# Altium PCB CL-HC-M-V2.2.PcbDoc (part 15 of 18) (continued)
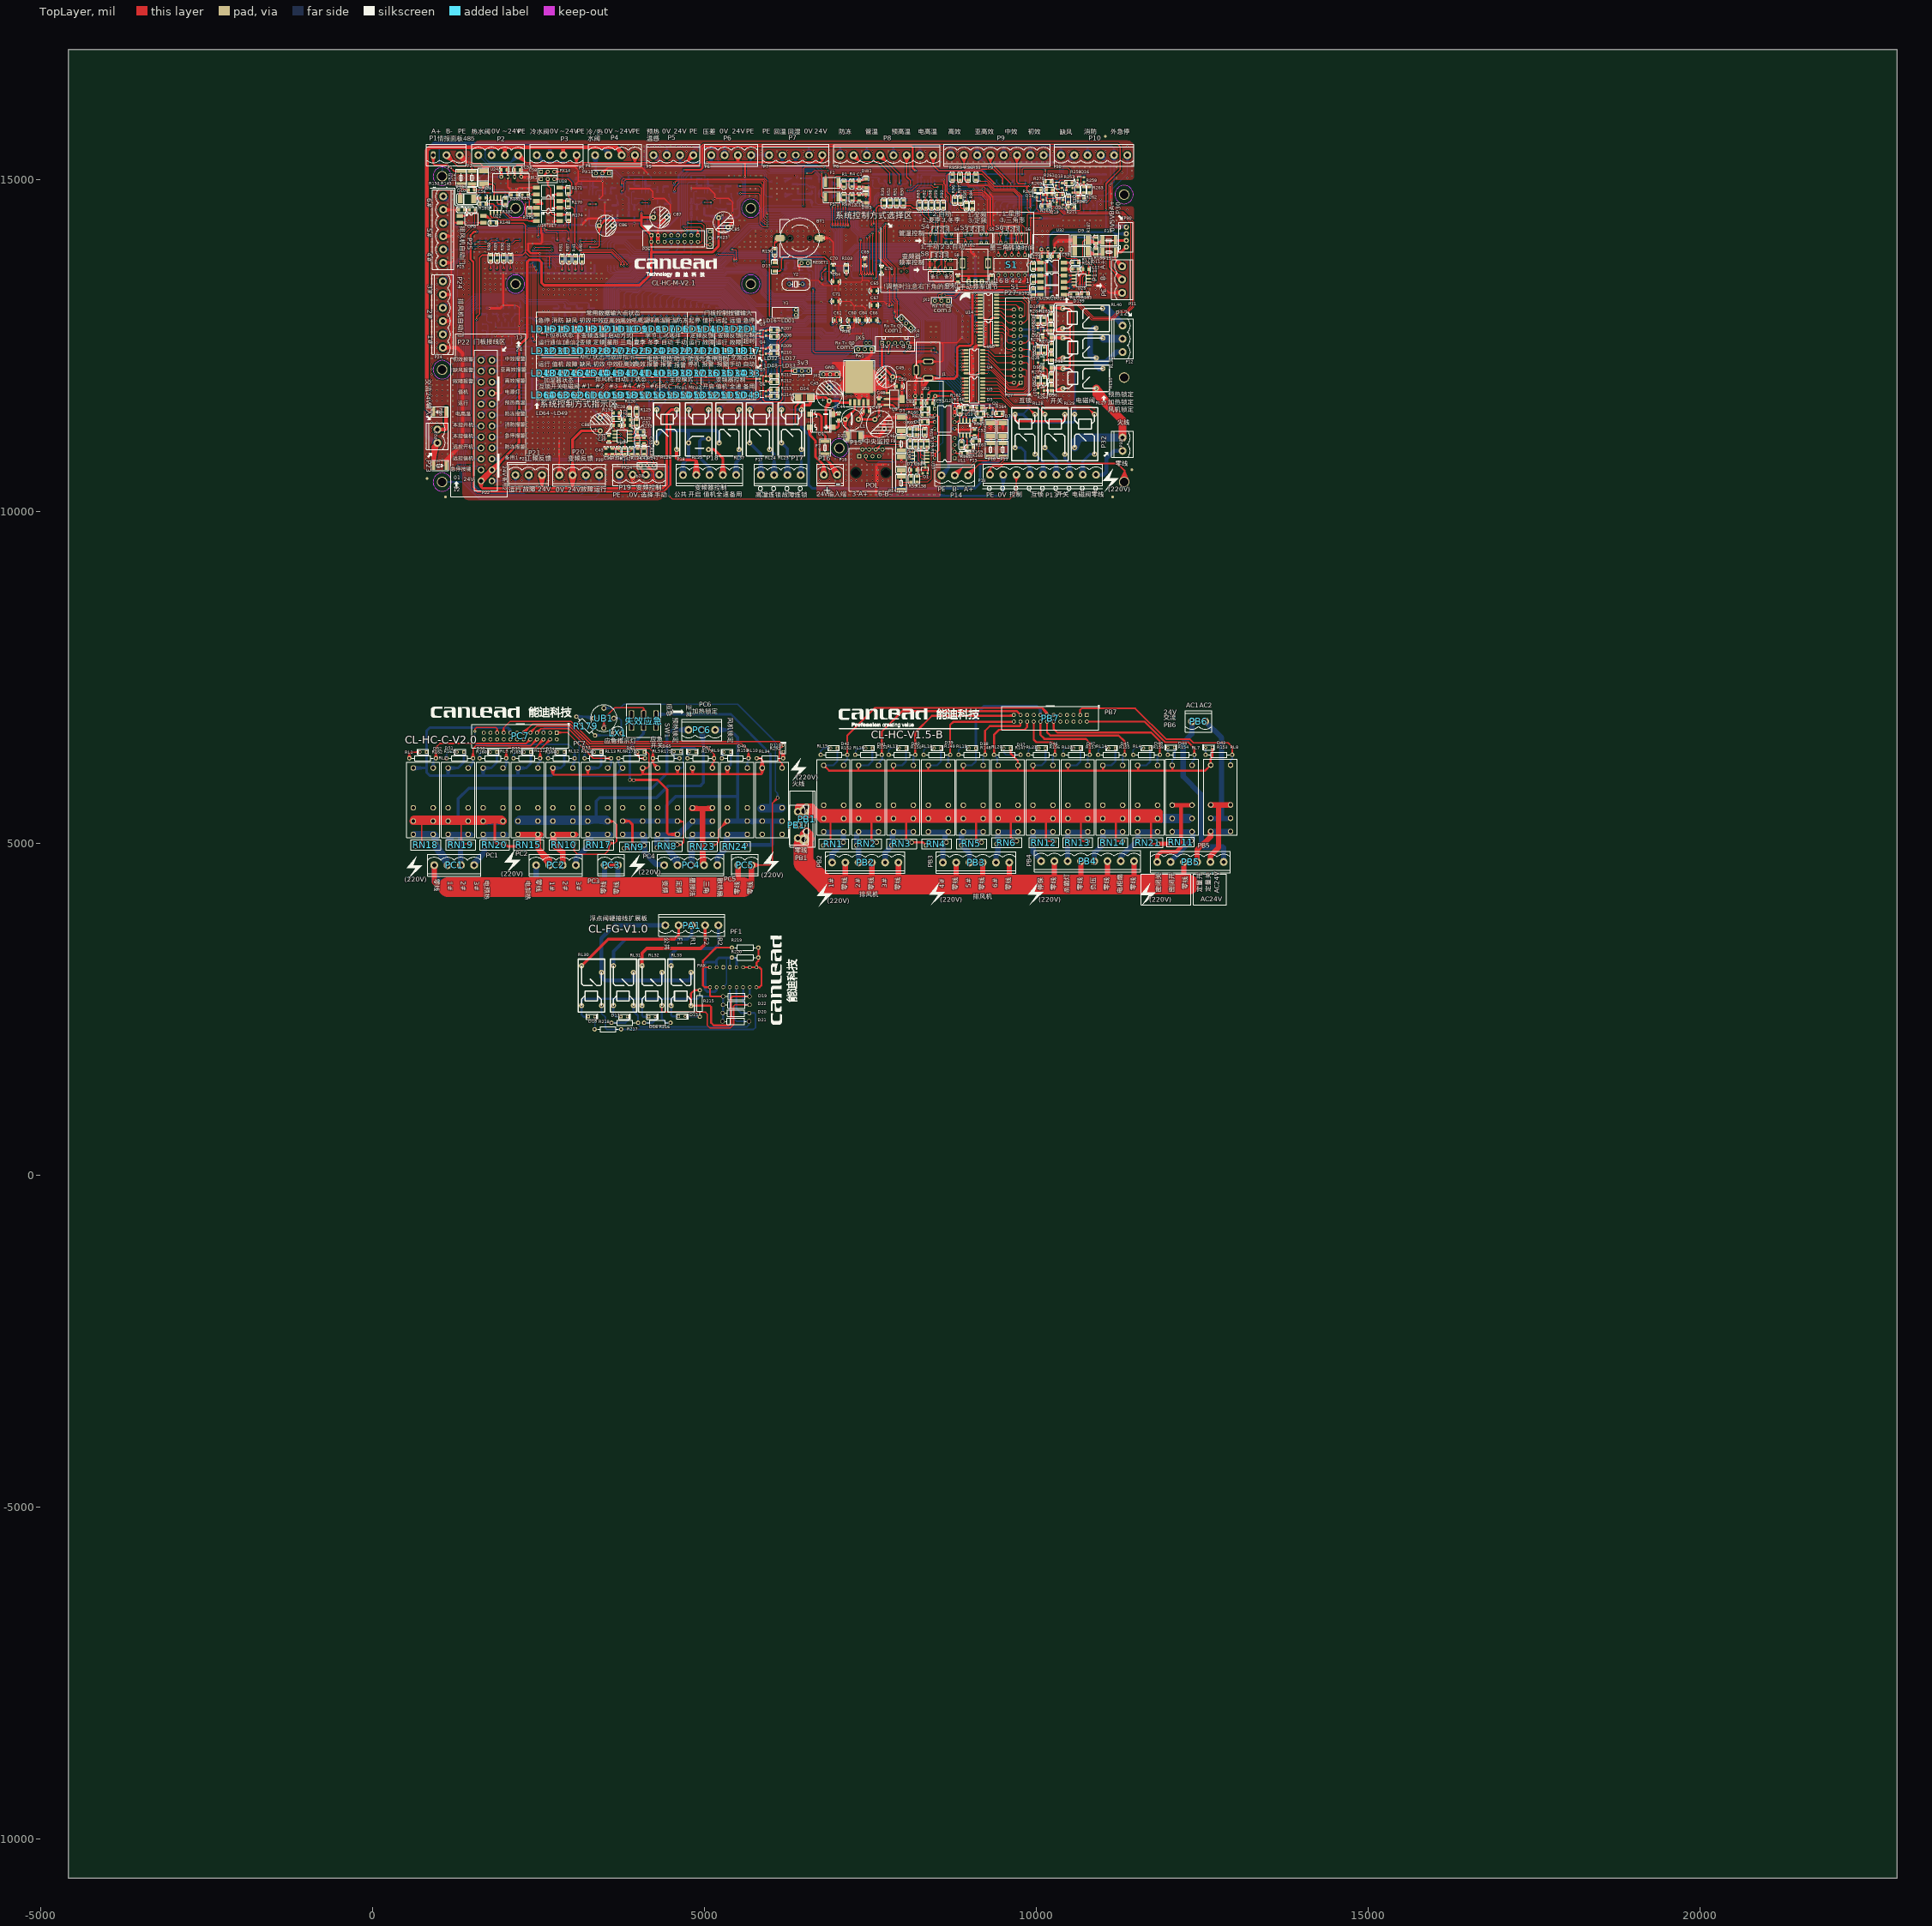
[diagram p0: TopLayer view]
## Nets (pads, with @x,y where several pads share a name; then routed paths per layer and width w, separated by ;. In a path a pad name is that pad's centre, name@x,y a point inside that pad or via, vN(x,y) a via of type N, cw(c..) or ccw(c..) an arc to the next point about the centre after c; other vN are vias at no path point) (continued)
  BottomLayer w10: R104.1@4532.78,14908.71 v1(4547.57,14951.4) ; v1@4540.3,14953.23 4533.42,14910.55 v1@4554.42,14948.34 ; v1@4540.73,14948.34 4561.72,14910.55 v1@4554.85,14953.23 ; R104.1@4547.57,14901.22 v1(4547.57,14951.4) ; R104.1@4547.57,14906.22 v1(4547.57,14951.4) ; R104.1@4562.36,14908.71 v1(4547.57,14951.4) ; v1(5942.07,14405.09) 6149.73,14405.09 6215.26,14470.62 7194.34,14470.62 7287.5,14377.46 7287.5,14281.37 7374.49,14194.38 v1(7534.2,14194.38) 7491.7,14194.38 ; v1@5942.73,14397.62 5984.57,14405.09 v1@5942.73,14412.56 ; U33.67@7514.51,13622.58 7514.51,13583.82 ; v1@7533.53,14186.91 7491.7,14194.38 ; v1@7533.53,14201.85 7491.7,14194.38 ; v1(7534.2,13564.13) 7514.51,13583.82 ; R104.1@4547.57,14908.9 4555.04,14950.74 R104.1@4547.57,14908.9 ; R104.1@4547.57,14908.9 4540.1,14950.74 R104.1@4547.57,14908.9 ; 7514.51,13583.82 7514.51,13592.33 7514.51,13583.82
RESET: C80.1 D12.1 J2.2 R189.2 RESET1.1 U33.25 | length 5735
  TopLayer w10: v1@6629.91,13342.7 6637.39,13300.87 v1@6644.86,13342.7 ; v1(6637.39,13343.37) 6637.39,12417.31 6662.76,12391.94 v1(7238.89,12391.94) ; v1@7238.23,12384.47 7196.39,12391.94 v1@7238.23,12399.41
  TopLayer w20: J2.2@7755.74,12537.42 7775.15,12450.02 J2.2@7794.56,12537.42 ; 7775.15,12462.28 v1(7772.18,12389.4) 7775.15,12392.37 J2.2@7775.15,12539.55
  BottomLayer w10: v1@5890.34,13763.12 5928.92,13791.13 v1@5900.92,13752.55 ; v1(5895.21,13757.42) 5935.83,13798.04 6340.47,13798.04 ; D12.1@6340.47,13656.78 6360.44,13695.87 ; R189.2@6345.62,13741 6360.44,13695.87 ; R189.2@6345.96,13749.42 6340.47,13798.04 ; D12.1@6349.97,13653.25 6360.44,13695.87 ; D12.1@6359.89,13646.98 6360.44,13647.53 6360.44,13695.87 ; D12.1@6359.89,13651.98 6360.44,13695.87 ; R189.2@6360.44,13743.37 6360.44,13695.87 ; D12.1@6369.83,13653 6360.44,13695.87 ; R189.2@6373.03,13761.51 6340.47,13798.04 ; R189.2@6375.25,13741 6360.44,13695.87 ; D12.1@6379.41,13656.29 6360.44,13695.87 ; RESET1.1@6538.43,13736.38 6562.64,13692.7 ; C80.1@6547.8,13644.62 6562.64,13692.37 ; RESET1.1@6547.81,13740.39 6562.64,13692.7 ; C80.1@6562.64,13642.37 6562.64,13692.37 ; RESET1.1@6562.64,13742.64 6562.64,13692.7 ; C80.1@6564.97,13622.55 6610.89,13637.37 ; C80.1@6564.97,13652.19 6610.89,13637.37 ; C80.1@6577.47,13644.62 6562.64,13692.37 ; RESET1.1@6577.47,13740.39 6562.64,13692.7 ; RESET1.1@6586.84,13736.38 6562.64,13692.7 ; v1@6629.91,13344.03 6637.39,13385.87 v1@6644.86,13344.03 ; v1@6632.83,13337.41 6657.38,13323.37 ; v1@6643.34,13347.92 6657.38,13323.37 ; 6776.28,13323.37 U33.25@6811.03,13323.37 ; U33.25@6841.28,13323.37 6657.38,13323.37 ; v1@7239.11,12384.44 7281.6,12389.4 ; v1@7239.99,12399.36 7281.6,12389.4 ; v1@7771.52,12381.93 7729.68,12389.4 v1@7771.52,12396.87 ; v1(7772.18,12389.4) 7236.36,12389.4 v1(7238.89,12391.94) 7281.6,12389.4 ; 6340.47,13798.04 6360.44,13778.08 ; 6340.47,13798.04 R189.2@6360.44,13753.37 ; 6360.44,13695.87 6559.47,13695.87 6562.64,13692.7 ; 6360.44,13695.87 R189.2@6360.44,13748.37 6360.44,13778.08 ; R189.2@6360.44,13753.37 6360.44,13778.08 ; R189.2@6360.44,13753.37 6360.44,13778.08 ; 6360.44,13778.08 6346.14,13757.92 6360.44,13778.08 ; 6360.44,13778.08 6374.73,13757.92 6360.44,13778.08 ; 6562.64,13692.7 C80.1@6562.64,13637.37 6610.89,13637.37 ; 6610.89,13637.37 6637.39,13610.87 v1(6637.39,13343.37) 6657.38,13323.37
ROUT1: PB7.2 PC7.2 R154.2@12383.41,6334.7 RL7.2 | length 2072.4
  TopLayer w30: PB7.2@10763.41,6834.7 11632.63,6834.7 11942.63,6524.7 12293.41,6524.7 12383.41,6434.7 R154.2@12383.41,6334.7 ; RL7.2@12358.29,6175.17 RL7.2@12368.2,6185.07
  BottomLayer w30: RL7.2@12349.02,6176.29 12349.02,6230.31 12383.41,6264.7 R154.2@12383.41,6334.7
ROUT2: PB7.4 PC7.1 R163.2@3594.76,6281.68 RL13.2 | length 1982.6
  TopLayer w20: PC7.1@2777.25,6666.95 2940.33,6666.95 3325.6,6281.68 R163.2@3594.76,6281.68 ; PC7.1@2779.38,6647.54 2866.78,6666.95 PC7.1@2779.38,6686.36 ; R163.2@3592.03,6259.35 3502.26,6281.68 R163.2@3592.03,6304.01
  BottomLayer w20: RL13.2@3526.77,6162.24 3594.76,6186.97 ; RL13.2@3536.24,6144.43 3594.76,6186.97 ; RL13.2@3543.6,6135.81 3594.76,6186.97 ; RL13.2@3552.23,6128.45 3594.76,6186.97 ; RL13.2@3570.04,6118.98 3594.76,6186.97 ; R163.2@3572.43,6278.94 3594.76,6189.18 R163.2@3617.09,6278.94 ; R163.2@3594.76,6281.68 3594.76,6186.97
ROUT3: PB7.6 PC7.6 R160.2@2014.76,6281.68 RL3.2 | length 1741.7
  TopLayer w20: R160.2@1992.43,6284.42 2014.76,6374.18 R160.2@2037.09,6284.42 ; R160.2@2014.76,6281.68 2014.76,6405.53 2044.6,6435.37 2445.66,6435.37 PC7.6@2577.25,6566.95 2505.29,6495 ; PC7.6@2562.18,6579.37 2505.29,6495 ; PC7.6@2589.67,6551.88 2505.29,6495
  BottomLayer w25: RL3.2@1950.3,6160.01 2014.76,6184.59 ; RL3.2@1965.98,6135.81 2014.76,6184.59 ; RL3.2@1990.19,6120.13 2014.76,6184.59 ; R160.2@1994.87,6279.62 2014.76,6184.59 ; R160.2@2014.76,6281.68 2014.76,6184.59 ; R160.2@2034.66,6279.62 2014.76,6184.59
ROUT4: PB7.8 PC7.8 R161.2@1514.76,6281.68 RL2.2 | length 2399.5
  TopLayer w20: R161.2@1492.43,6284.42 1514.76,6374.18 R161.2@1537.09,6284.42 ; R161.2@1514.76,6281.68 1514.76,6430.23 1554.9,6470.37 2380.66,6470.37 PC7.8@2477.25,6566.95 2405.29,6495 ; PC7.8@2462.18,6579.37 2405.29,6495 ; PC7.8@2489.67,6551.88 2405.29,6495
  BottomLayer w20: RL2.2@1421.48,6161.01 1514.76,6210.46 ; RL2.2@1432.53,6144.25 1514.76,6210.46 ; RL2.2@1440.11,6135.81 1514.76,6210.46 ; RL2.2@1448.54,6128.24 1514.76,6210.46 ; RL2.2@1465.31,6117.19 1514.76,6210.46 ; R161.2@1492.54,6278.13 1514.76,6210.46 ; R161.2@1514.76,6281.68 1514.76,6210.46 ; R161.2@1536.98,6278.13 1514.76,6210.46
ROUT5: PB7.10 PC7.10 R162.2@954.76,6281.68 RL1.2 | length 2765.4
  TopLayer w20: R162.2@932.43,6284.42 954.76,6374.18 R162.2@977.09,6284.42 ; R162.2@954.76,6281.68 954.76,6445.23 1014.9,6505.37 2315.66,6505.37 ; PC7.10@2361.98,6579.13 2315.66,6505.37 ; PC7.10@2389.42,6551.69 2315.66,6505.37 ; 2315.66,6505.37 PC7.10@2377.25,6566.95 2315.66,6505.37
  BottomLayer w20: RL1.2@883.27,6140.66 914.23,6237.15 ; RL1.2@902.91,6136.45 914.23,6237.15 ; RL1.2@914.23,6135.81 914.23,6241.15 ; RL1.2@925.56,6136.45 914.23,6237.15 ; R162.2@936.04,6294.16 914.23,6241.15 ; RL1.2@945.2,6140.66 914.23,6237.15 ; R162.2@954.76,6281.68 914.23,6241.15 ; R162.2@967.24,6262.96 914.23,6241.15
ROUT6: PB7.12 PC7.12 R158.2@11863.41,6334.7 RL4.2 | length 2163.7
  TopLayer w30: PB7.12@10263.41,6834.7 10263.41,6724.7 10318.41,6669.7 11733.99,6669.7 11863.41,6540.29 R158.2@11863.41,6334.7
  BottomLayer w30: RL4.2@11828.99,6175.17 11828.99,6305.23 R158.2@11858.47,6334.7
ROUT7: PB7.14 PC7.14 R155.2@11332.31,6334.33 RL14.2 | length 1766.9
  TopLayer w30: PB7.14@10163.41,6834.7 10163.41,6674.7 10213.41,6624.7 11243.41,6624.7 11332.31,6535.8 R155.2@11332.31,6334.33
  BottomLayer w30: RL14.2@11303.36,6175.17 11303.36,6305.23 R155.2@11332.83,6334.7 ; RL14.2@11306.02,6167.9 RL14.2@11306.02,6175.17
ROUT8: PB7.16 PC7.16 R157.2@10807.2,6334.7 RL22.2 | length 1345.1
  TopLayer w30: PB7.16@10063.41,6834.7 10063.41,6634.7 10123.41,6574.7 10747.01,6574.7 10807.2,6514.51 R157.2@10807.2,6334.7
  BottomLayer w30: RL22.2@10777.73,6175.17 10777.73,6305.23 R157.2@10807.2,6334.7
ROUT9: PB7.18 PC7.18 R156.2@10281.57,6334.7 RL21.2 | length 943
  TopLayer w30: PB7.18@9963.41,6834.7 9963.41,6564.7 10003.41,6524.7 10241.57,6524.7 10281.57,6484.7 R156.2@10281.57,6334.7
  BottomLayer w30: RL21.2@10252.1,6175.17 10252.1,6305.23 R156.2@10281.57,6334.7
ROUT10: PB7.20 PC7.20 R147.2@9363.93,6335.07 RL20.1 | length 1117.3
  TopLayer w30: R147.2@9363.93,6335.07 9363.93,6635.22 9440.8,6712.09 9824.78,6712.09 9863.41,6750.72 PB7.20@9863.41,6834.7
  BottomLayer w30: R147.2@9363.93,6335.07 9413.41,6285.59 9413.41,6188.23 RL20.1@9426.47,6175.17
ROUT11: PB7.22 PC7.22 R148.2@9230.3,6334.7 RL19.2 | length 1156.7
  TopLayer w30: R148.2@9230.3,6334.7 9230.3,6694.7 9301.25,6765.64 9752.2,6765.64 9763.41,6776.85 PB7.22@9763.41,6834.7
  BottomLayer w30: RL19.2@9200.83,6175.17 9200.83,6305.23 R148.2@9230.3,6334.7
ROUT12: PB7.24 PC7.24 R149.2@8704.15,6334.33 RL18.2 | length 1723
  TopLayer w30: R149.2@8704.15,6334.33 8704.15,6785.44 8748.61,6829.91 9658.61,6829.91 PB7.24@9663.41,6834.7 9542.99,6829.91
  BottomLayer w30: RL18.2@8675.2,6175.17 8675.2,6305.23 R149.2@8704.67,6334.7
ROUT13: PB7.23 PC7.23 R150.2@8178.51,6334.33 RL17.2 | length 2227.1
  TopLayer w30: R150.2@8178.51,6334.33 8178.51,6672.48 8427.57,6921.54 9650.24,6921.54 PB7.23@9663.41,6934.7 9540.36,6921.54
  BottomLayer w30: RL17.2@8149.57,6175.17 8149.57,6305.23 R150.2@8179.04,6334.7
ROUT14: PB7.21 PC7.21 R151.2@7673.41,6334.33 RL16.2 | length 2774.1
  TopLayer w30: R151.2@7673.41,6334.33 7673.41,6681.46 7986.64,6994.7 9703.41,6994.7 PB7.21@9763.41,6934.7
  BottomLayer w30: RL16.2@7623.94,6175.17 7623.94,6209.6 7679.04,6264.7 R151.2@7679.04,6334.7
ROUT22: PB7.13 PC7.13 R152.2@7153.41,6334.7 RL15.2 | length 3882.8
  TopLayer w30: R152.2@7153.41,6334.7 7153.41,6623.34 7570.61,7040.54 10094.8,7040.54 ; 10094.8,7040.54 10163.41,6971.93 ; 10094.8,7040.54 PB7.13@10163.41,6934.7 ; PB7.13@10163.41,6934.7 10163.41,6971.93 ; PB7.13@10163.41,6934.7 10163.41,6971.93
  BottomLayer w30: RL15.2@7098.3,6175.17 7098.3,6209.6 7153.41,6264.7 R152.2@7153.41,6334.7
ROUT23: PB7.11 PC7.11 R159.2@5664.76,6281.68 RL10.2 | length 4796.2
  TopLayer w20: PC7.11@2264.83,6682.02 2349.2,6738.91 ; PC7.11@2292.32,6654.53 2349.2,6738.91 ; R159.2@5642.43,6284.42 5664.76,6374.18 R159.2@5687.09,6284.42 ; R159.2@5664.76,6281.68 5664.76,6400.51 5564.9,6500.37 3280.4,6500.37 2980.4,6800.37 2410.66,6800.37 PC7.11@2277.25,6666.95 2349.2,6738.91
  BottomLayer w20: RL10.2@5616.3,6141.62 5647.1,6220.37 ; RL10.2@5635.79,6136.57 5647.1,6220.37 ; R159.2@5643.02,6275.88 5664.76,6238.03 ; RL10.2@5647.1,6135.81 5647.1,6220.37 ; RL10.2@5658.41,6136.57 5647.1,6220.37 ; R159.2@5664.76,6281.68 5664.76,6238.03 ; RL10.2@5677.9,6141.62 5647.1,6220.37 ; R159.2@5686.5,6275.88 5664.76,6238.03 ; 5647.1,6220.37 5664.76,6238.03
ROUT24: PB7.9 PC7.9 R177.2@5144.9,6281.68 RL9.2 | length 4011.6
  TopLayer w20: PC7.9@2364.83,6682.02 2449.2,6738.91 ; PC7.9@2392.32,6654.53 2449.2,6738.91 ; RL9.2@5090.77,6143.2 5121.23,6202.23 ; RL9.2@5109.93,6136.78 5121.23,6202.23 ; RL9.2@5121.23,6135.81 5121.23,6202.23 ; R177.2@5122.76,6285.66 5144.9,6345.37 ; R177.2@5122.86,6277.14 5144.9,6225.9 ; RL9.2@5132.52,6136.78 5121.23,6202.23 ; RL9.2@5151.68,6143.2 5121.23,6202.23 ; R177.2@5166.94,6277.14 5144.9,6225.9 ; R177.2@5167.05,6285.66 5144.9,6345.37 ; 2449.2,6738.91 PC7.9@2377.25,6666.95 2475.66,6765.37 2965.91,6765.37 3265.91,6465.37 5024.9,6465.37 5144.9,6345.37 ; 5121.23,6202.23 5144.9,6225.9 ; 5144.9,6225.9 R177.2@5144.9,6281.68 5144.9,6345.37
ROUT25: PB7.7 PC7.7 R175.2@4225.26,6281.68 RL5.1 | length 3187.5
  TopLayer w20: PC7.7@2465.06,6682.21 2539.24,6728.95 ; PC7.7@2492.51,6654.77 2539.24,6728.95 ; R175.2@4202.93,6284.42 4225.26,6374.18 R175.2@4247.59,6284.42 ; R175.2@4203.01,6278.34 4225.26,6205.9 ; R175.2@4247.51,6278.34 4225.26,6205.9 ; RL5.1@4269.97,6117.43 4225.26,6205.9 ; RL5.1@4286.89,6128.26 4225.26,6205.9 ; RL5.1@4295.35,6135.81 4225.26,6205.9 ; RL5.1@4302.9,6144.27 4225.26,6205.9 ; RL5.1@4313.73,6161.19 4225.26,6205.9 ; 2539.24,6728.95 PC7.7@2477.25,6666.95 2539.24,6728.95 ; 2539.24,6728.95 2952.83,6728.95 3251.41,6430.37 4174.9,6430.37 4225.26,6380.01 R175.2@4225.26,6281.68 4225.26,6205.9
ROUT26: PB7.5 PC7.5 R171.2@3704.9,6281.68 RL6.1 | length 3335.3
  BottomLayer w20: PC7.5@2557.94,6669.85 2577.25,6732.71 ; PC7.5@2596.56,6669.85 2577.25,6732.71 ; R171.2@3682.62,6278.57 3704.9,6200.39 ; R171.2@3704.9,6281.68 3704.9,6200.39 ; R171.2@3727.19,6278.57 3704.9,6200.39 ; RL6.1@3743.85,6117.78 3704.9,6200.39 ; RL6.1@3744.58,6154.84 3685.71,6052.05 ; RL6.1@3760.98,6128.31 3704.9,6200.39 ; RL6.1@3761.09,6143.44 3685.71,6052.05 ; RL6.1@3776.98,6144.31 3704.9,6200.39 ; RL6.1@3777.1,6127.42 3685.71,6052.05 ; RL6.1@3787.51,6161.44 3704.9,6200.39 ; RL6.1@3788.51,6110.91 3685.71,6052.05 ; 2577.25,6732.71 PC7.5@2577.25,6666.95 2577.25,6732.71 ; 2577.25,6732.71 2586.22,6741.68 3001.09,6741.68 3109.9,6632.87 3109.9,6040.37 3139.9,6010.37 3644.04,6010.37 RL6.1@3769.48,6135.81 3704.9,6200.39
ROUT27: PB7.3 PC7.3 R153.2@12953.41,6335.07 RL8.2 | length 2904.7
  TopLayer w25: PB7.3@10663.41,6934.7 10663.41,7014.7 10683.41,7034.7 11492.74,7034.7 11960.24,6567.2 12315.7,6567.2 12368.2,6514.7 12893.41,6514.7 12953.41,6454.7 R153.2@12953.41,6335.07
  BottomLayer w25: RL8.2@12928.39,6178.91 12928.39,6249.69 12953.41,6274.7 R153.2@12953.41,6335.07
ROUT28: PB7.1 PC7.4 R165.2@2524.76,6281.68 RL11.2 | length 1224.1
  TopLayer w20: R165.2@2502.43,6284.42 2524.76,6374.18 R165.2@2547.09,6284.42 ; R165.2@2524.76,6281.68 2524.76,6414.47 PC7.4@2677.25,6566.95 2605.29,6495 ; PC7.4@2662.18,6579.37 2605.29,6495 ; PC7.4@2689.67,6551.88 2605.29,6495
  BottomLayer w30: RL11.2@2466.19,6141.7 2491.86,6194.68 ; RL11.2@2491.86,6135.81 2491.86,6194.68 ; R165.2@2507.49,6278.85 2524.76,6227.59 ; RL11.2@2517.53,6141.7 2491.86,6194.68 ; R165.2@2524.76,6281.68 2524.76,6227.59 ; R165.2@2542.03,6278.85 2524.76,6227.59 ; 2491.86,6194.68 2524.76,6227.59
ROUT29: PB7.19 PC7.19 R164.2@3044.76,6281.68 RL12.2 | length 3089.5
  TopLayer w20: v4(1541.49,6689.72) 1541.49,6721.74 1568.91,6749.16 1855.99,6749.16 1877.25,6727.91 ; PC7.19@1857.97,6670.08 1877.25,6727.91 ; PC7.19@1877.25,6666.95 1877.25,6727.91 ; PC7.19@1896.52,6670.08 1877.25,6727.91
  BottomLayer w20: 1544.1,6609.61 v4(1541.49,6689.72) 1541.49,6692.11 1544.1,6694.72 1544.1,6506.17 1558.32,6491.95 2793.32,6491.95 2954.95,6491.95 3044.76,6402.14 R164.2@3044.76,6281.68 ; R164.2@3022.43,6284.42 3044.76,6374.18 R164.2@3067.09,6284.42
  BottomLayer w30: RL12.2@2992.09,6141.86 3017.73,6193.2 ; RL12.2@3017.73,6135.81 3017.73,6193.2 ; R164.2@3027.44,6279.19 3044.76,6220.23 ; RL12.2@3043.37,6141.86 3017.73,6193.2 ; R164.2@3044.76,6281.68 3044.76,6220.23 ; R164.2@3062.08,6279.19 3044.76,6220.23 ; 3017.73,6193.2 3044.76,6220.23
SDO_165: U31.9 U33.46 | length 4676.9
  TopLayer w10: v1@9864.64,13993.96 9872.11,14035.8 v1@9879.58,13993.96 ; v1(9872.11,13993.3) 9872.11,14473.87 9884.98,14486.74 10293.44,14486.74 ; v1@10315.83,14519.69 10293.44,14486.74 ; v1@10326.39,14509.13 10293.44,14486.74 ; 10293.44,14486.74 v1(10321.61,14514.91) 10293.44,14486.74
  BottomLayer w10: U33.46@7101.13,13622.58 7101.13,13854.14 7272.42,14025.44 8219.38,14025.44 8251.52,13993.3 v1(9872.11,13993.3) ; U33.46@7101.13,13652.83 7101.13,13687.58 ; v1@9871.45,13985.83 9829.61,13993.3 v1@9871.45,14000.77 ; U31.9@10311.68,14587.52 10321.61,14543.63 ; v1@10314.14,14515.57 10321.61,14557.41 v1@10329.08,14515.57 ; v1(10321.61,14514.91) U31.9@10321.61,14613.63 ; U31.9@10321.61,14588.63 10321.61,14543.63 ; U31.9@10331.55,14587.52 10321.61,14543.63
STM32-R/T2: R170.2 U33.35 | length 5340.4
  TopLayer w10: R170.2@2947.38,14593.36 3006.44,14593.36 3041.38,14558.42 3041.38,14029.99 3143.25,13928.12 3603.34,13928.12 3789.72,13741.73 ; R170.2@2952.38,14593.36 3002.38,14593.36 ; R170.2@2954.63,14578.53 3002.38,14593.36 ; R170.2@2954.63,14608.19 3002.38,14593.36 ; v1@3782.26,13707.59 3789.72,13741.73 ; v1(3789.72,13706.79) 3789.72,13741.73 ; v1@3797.18,13707.59 3789.72,13741.73
  BottomLayer w10: v1@3782.29,13705.8 3789.72,13678.25 ; v1(3789.72,13706.79) 3789.72,13678.25 ; v1@3797.16,13705.8 3789.72,13678.25 ; 6776.28,13520.22 U33.35@6811.03,13520.22 ; U33.35@6841.28,13520.22 6761.59,13520.22 6740.72,13541.09 6740.72,13815.23 6667.91,13888.04 5390.01,13888.04 5241.52,13739.55 3925.58,13739.55 3853.24,13667.2 3800.77,13667.2 3789.72,13678.25
STM32-R/T3: R172.2 U33.68 | length 3455.5
  TopLayer w10: v1(8623.45,13257.97) 8772.75,13257.97 8786.89,13272.11 ; v1@8624.11,13250.5 8665.95,13257.97 v1@8624.11,13265.45 ; 8793.72,13278.94 8786.89,13272.11 ; R172.2@9945.66,13527.89 9922.59,13542.31 ; R172.2@9945.66,13556.72 9922.59,13542.31 ; R172.2@9949.8,13542.31 9922.59,13542.31 ; R172.2@9954.8,13542.31 9922.59,13542.31 ; 8786.89,13272.11 8848.95,13334.17 9880.84,13334.17 9906.58,13359.91 9906.58,13526.3 9922.59,13542.31
  BottomLayer w10: U33.68@7534.2,13622.58 7534.2,13772.09 7553.54,13791.44 8122.46,13791.44 8132.48,13781.42 8132.48,13514.61 8350.04,13297.05 8612.92,13297.05 8623.45,13286.52 ; U33.68@7534.2,13652.83 7534.2,13687.58 ; v1@8616.02,13258.96 8623.45,13286.52 ; v1(8623.45,13257.97) 8623.45,13286.52 ; v1@8630.89,13258.96 8623.45,13286.52
STM32-R/T4: D4.A Q1.1 R62.2 U10.2 U10.3 U33.110 | length 5175.5
  TopLayer w10: v1(8069.51,12462.69) v1(8466.72,12462.69) 8424.22,12462.69 ; v1@8070.17,12455.22 8112.01,12462.69 v1@8070.17,12470.16 ; v1@8466.06,12455.22 8424.22,12462.69 ; v1@8466.06,12470.16 8424.22,12462.69
  TopLayer w15: D4.A@8192.38,11158.69 v1(8267.04,11158.69) ; D4.A@8194.56,11141.33 8262.38,11158.69 D4.A@8194.56,11176.06 ; D4.A@8209.54,11158.69 v1(8267.04,11158.69) ; D4.A@8210.65,11145.45 v1(8267.04,11158.69) ; D4.A@8210.65,11171.94 v1(8267.04,11158.69) ; R62.2@8254.88,10973.12 8262.38,10907.95 ; R62.2@8262.38,10973.36 8262.38,10865.42 ; R62.2@8267.38,10973.36 8262.38,10907.95 ; R62.2@8279.69,10971.22 8262.38,10907.95 ; U10.2@8324.38,10793.36 v1(8280.9,10793.36) ; U10.3@8324.38,10843.36 8284.44,10843.36 ; U10.2@8352.38,10793.36 v1(8280.9,10793.36) ; U10.3@8352.38,10843.36 8284.44,10843.36 ; 8262.38,10811.88 v1(8280.9,10793.36) ; 8262.38,10811.88 8262.38,10865.42 ; 8262.38,10811.88 v1(8280.9,10793.36) ; 8262.38,10865.42 8284.44,10843.36 ; v1@8276.2,10667.32 v1(8280.9,10672.02) ; v1@8276.2,10667.32 Q1.1@8327.38,10667.32 v1(8280.9,10672.02) ; v1@8276.2,10667.32 8326.36,10657.16 v1(8280.9,10672.02) ; v1@8276.2,10667.32 8326.36,10677.49 v1(8280.9,10672.02)
  BottomLayer w10: 7593.25,12703.25 U33.110@7593.25,12738 ; U33.110@7593.25,12768.25 7593.25,12504.32 7634.88,12462.69 v1(8069.51,12462.69) 8027.01,12462.69 ; v1@8068.85,12455.22 8027.01,12462.69 ; v1@8068.85,12470.16 8027.01,12462.69 ; v1@8262.44,11164.62 8288.21,11179.86 ; v1(8267.04,11158.69) 8288.21,11179.86 ; v1@8272.96,11154.1 8288.21,11179.86 ; v1@8459.25,12462.03 8466.72,12420.19 ; v1@8474.19,12462.03 8466.72,12420.19 ; 8288.21,11179.86 8526.95,11179.86 8571.2,11224.11 8571.2,11964.63 8523.84,12011.99 8523.84,12325.02 8466.72,12382.14 v1(8466.72,12462.69) 8466.72,12420.19
  BottomLayer w15: v1(8267.04,11158.69) 8267.04,10873.36 8280.9,10859.5 v1(8280.9,10793.36) v1(8280.9,10672.02)
STM32-RX1: JX4.3 U33.102 | length 632.6
  BottomLayer w10: U33.102@7695.61,12969.04 7786.73,12969.04 7805.46,12950.3 7926.19,12950.3 JX4.3@7969.92,12906.57 7927.83,12948.67 ; U33.102@7725.86,12969.04 7760.61,12969.04 ; JX4.3@7949.37,12893.17 7927.83,12948.67 ; JX4.3@7958.47,12897.63 7927.83,12948.67 ; JX4.3@7978.86,12918.02 7927.83,12948.67 ; JX4.3@7983.32,12927.12 7927.83,12948.67
STM32-RX2: JX1.2 R174.2 U16.4 U33.37 | length 7053.5
  TopLayer w10: R174.2@2954.07,14474.76 2990.93,14474.76 ; R174.2@2959.07,14474.76 2990.93,14474.76 ; R174.2@2962.6,14460.18 2990.93,14474.76 ; R174.2@2962.6,14489.34 2990.93,14474.76 ; v1@3736.45,13707.45 3743.93,13749.29 v1@3751.4,13707.45 ; v1(3743.93,13706.79) 3743.93,13759.25 3595.06,13908.12 3134.97,13908.12 3005.82,14037.26 3005.82,14459.87 2990.93,14474.76
  TopLayer w20: JX1.2@2619.73,15008.06 2639.14,14920.66 JX1.2@2658.55,15008.06 ; JX1.2@2639.14,15010.19 2639.14,14912.6 2687.66,14864.08 2687.66,14500.06 2712.96,14474.76 U16.4@2823.29,14474.76 R174.2@2954.07,14474.76 ; U16.4@2801.48,14455.35 2714.08,14474.76 ; U16.4@2801.48,14494.17 2714.08,14474.76 ; U16.4@2803.61,14474.76 2714.08,14474.76 ; U16.4@2869.07,14474.76 R174.2@2949.07,14474.76 ; R174.2@2932.5,14474.76 2845.11,14494.17 R174.2@2932.5,14474.76 ; R174.2@2932.5,14474.76 2845.11,14455.35 R174.2@2932.5,14474.76 ; R174.2@2932.5,14474.76 2842.98,14474.76 R174.2@2932.5,14474.76
  BottomLayer w10: v1@3736.48,13707.69 3743.93,13738.09 ; v1(3743.93,13706.79) 3743.93,13738.09 ; v1@3751.37,13707.69 3743.93,13738.09 ; 6889.21,13622.58 U33.37@6923.96,13622.58 6806.53,13622.58 6780.81,13648.3 6780.81,13826.05 6682.82,13924.04 5375.1,13924.04 5226.68,13775.62 3781.46,13775.62 3743.93,13738.09
STM32-RX3: JX2.3 R175.2@9957.13,13268.69 U19.4 U33.70 | length 4320.5
  TopLayer w10: v1(8576.11,13231.2) 8771.44,13231.2 8789.46,13249.22 ; v1@8576.77,13223.73 8618.61,13231.2 v1@8576.77,13238.67 ; R175.2@9949.7,13283.49 9902.12,13268.09 ; R175.2@9950.06,13253.84 9902.12,13268.09 ; R175.2@9952.13,13268.69 9902.12,13268.09 ; R175.2@9957.13,13268.69 9957.73,13268.09 9849.48,13268.09 9801.4,13316.17 8856.4,13316.17 8797.79,13257.56 ; 8789.46,13249.22 8797.79,13257.56 ; 8789.46,13249.22 8797.79,13257.56
  TopLayer w20: U19.4@10040.45,13248.73 R175.2@9962.13,13268.69 ; U19.4@10040.72,13248.69 R175.2@9957.73,13268.09 ; U19.4@10042.13,13268.09 R175.2@9962.13,13268.69 ; U19.4@10062.64,13268.09 R175.2@9957.73,13268.09 ; R175.2@9957.73,13268.09 10040.72,13287.49 R175.2@9962.13,13268.69 ; R175.2@9957.73,13268.09 10042.95,13268.09 R175.2@9962.13,13268.69
  BottomLayer w10: U33.70@7573.57,13622.58 7573.57,13740.39 7588.62,13755.44 8083.88,13755.44 8096.48,13742.84 8096.48,13496.93 8351.62,13241.79 8473.42,13241.79 ; U33.70@7573.57,13652.83 7573.57,13687.58 ; JX2.3@8449.15,13182.02 8473.16,13236.5 ; JX2.3@8458.74,13178.74 8473.16,13236.5 ; JX2.3@8473.16,13176.97 8473.16,13241.52 8473.42,13241.79 ; JX2.3@8487.57,13178.74 8473.16,13236.5 ; JX2.3@8497.16,13182.02 8473.16,13236.5 ; v1@8575.45,13223.73 8533.61,13231.2 ; v1@8575.45,13238.67 8533.61,13231.2 ; 8473.42,13241.79 8521.68,13241.79 8532.26,13231.2 v1(8576.11,13231.2) 8533.61,13231.2
STM32-RX4: R158.1@8206.96,10446.03 R159.2@8352.38,10973.36 U10.4 U11.6 U33.112 | length 4932.9
  TopLayer w10: v1(8022.56,12403.59) v1(8498.2,12403.59) 8455.7,12403.59 ; v1@8497.54,12396.12 8455.7,12403.59 ; v1@8497.54,12411.06 8455.7,12403.59
  TopLayer w15: R158.1@8206.96,10446.03 8367.37,10446.03 8422.38,10501.04 8422.38,10883.36 8412.38,10893.36 ; R158.1@8211.96,10446.03 8276.96,10446.03 ; R158.1@8213.16,10433.59 8276.96,10446.03 ; R158.1@8213.16,10458.47 8276.96,10446.03 ; R159.2@8339.93,10972.16 8352.38,10908.36 R159.2@8364.82,10972.16 ; R159.2@8357.38,10973.36 8422.38,10973.36 ; R159.2@8358.58,10960.92 8422.38,10973.36 ; R159.2@8358.58,10985.8 8422.38,10973.36 ; U10.4@8380.38,10893.36 8412.38,10893.36 ; U11.6@8457.71,11012.91 8442.38,10973.36 ; U11.6@8472.38,11003.36 8442.38,10973.36 ; U11.6@8481.93,10988.7 8442.38,10973.36 ; 8412.38,10893.36 U10.4@8352.38,10893.36 R159.2@8352.38,10973.36 8442.38,10973.36
  BottomLayer w10: 7553.88,12703.25 U33.112@7553.88,12738 ; U33.112@7553.88,12768.25 7553.88,12492.77 7619.97,12426.69 7962.33,12426.69 7984.79,12404.23 ; v1@8021.69,12396.14 7984.79,12404.23 ; v1@8021.94,12411.06 7984.79,12404.23 ; U11.6@8472.38,11003.36 8554.52,11003.36 8597.43,11046.26 8597.43,11963.86 8542.66,12018.63 8542.66,12359.13 v1(8498.2,12403.59) ; U11.6@8473.28,10993.4 8527.38,11003.36 ; U11.6@8473.28,11013.32 8527.38,11003.36 ; U11.6@8476.01,10983.69 8527.38,11003.36 ; U11.6@8476.01,11023.02 8527.38,11003.36 ; v1@8493.33,12397.88 8531.92,12369.87 v1@8503.91,12408.46 ; 7984.79,12404.23 8021.92,12404.23 v1(8022.56,12403.59) 7984.79,12404.23
STM32-RX5: JX5.3 U33.116 | length 780.6
  BottomLayer w10: JX5.3@7304.46,12466.11 7369.32,12496.79 ; JX5.3@7309.4,12457.31 7369.32,12496.79 ; JX5.3@7329.84,12436.87 7369.32,12496.79 ; JX5.3@7338.63,12431.93 7369.32,12496.79 ; 7475.14,12703.25 U33.116@7475.14,12738 ; U33.116@7475.14,12768.25 7475.14,12638.15 7383.8,12546.81 7383.8,12511.28 JX5.3@7318.58,12446.05 7369.32,12496.79
STM32-TX1: JX4.2 U33.101 | length 775.3
  BottomLayer w10: U33.101@7695.61,12988.72 7792.5,12988.72 7812.92,12968.3 7985.31,12968.3 8040.63,12912.98 JX4.2@8040.63,12835.86 ; U33.101@7725.86,12988.72 7760.61,12988.72 ; JX4.2@8016.46,12840.05 8040.63,12907.62 ; JX4.2@8026.18,12837.33 8040.63,12907.62 ; JX4.2@8055.08,12837.33 8040.63,12907.62 ; JX4.2@8064.79,12840.05 8040.63,12907.62
STM32-TX2: JX1.3 R171.2@2947.38,14794.27 U33.36 | length 6048.4
  TopLayer w10: R171.2@2932.58,14791.83 2947.38,14748.22 ; R171.2@2947.38,14794.27 2947.38,14748.22 ; R171.2@2962.17,14791.83 2947.38,14748.22 ; v1@3828.12,13708 3835.52,13729.91 ; v1(3835.52,13706.79) 3835.52,13729.91 ; v1@3842.92,13708 3835.52,13729.91 ; 2947.38,14748.22 3059.38,14636.22 3059.38,14045.96 3153.2,13952.14 3613.29,13952.14 3835.52,13729.91
  TopLayer w20: JX1.3@2739.14,15010.19 2947.56,15010.19 3004.57,14953.18 3004.57,14802.19 2996.65,14794.27 ; JX1.3@2741.27,14990.78 2828.66,15010.19 JX1.3@2741.27,15029.6 ; R171.2@2947.38,14794.27 2996.65,14794.27 ; R171.2@2952.38,14794.27 2996.65,14794.27
  BottomLayer w10: v1@3828.16,13708.25 3835.52,13726.02 ; v1(3835.52,13706.79) 3835.52,13726.02 ; v1@3842.87,13708.25 3835.52,13726.02 ; U33.36@6811.03,13539.9 6787.93,13539.9 ; U33.36@6841.28,13539.9 6787.93,13539.9 ; 3835.52,13726.02 3867.05,13757.55 5234.06,13757.55 5382.55,13906.04 6675.37,13906.04 6762.81,13818.59 6762.81,13565.03 6787.93,13539.9
STM32-TX3: JX2.2 R173.2 U33.69 | length 4209
  TopLayer w10: JX2.2@8552.59,13163.6 8531.34,13218.79 ; JX2.2@8561.7,13168.03 8531.34,13218.79 ; v1@8569.82,13277.33 8599.98,13296.94 ; v1@8573.77,13264.05 8538.08,13271.51 ; v1@8573.77,13278.97 8538.08,13271.51 ; v1@8580.37,13266.79 8599.98,13296.94 ; JX2.2@8582.09,13188.42 8531.34,13218.79 ; JX2.2@8586.53,13197.53 8531.34,13218.79 ; R173.2@9947.19,13723.27 9899.44,13738.1 ; R173.2@9947.19,13752.93 9899.44,13738.1 ; R173.2@9949.44,13738.1 9899.44,13738.1 ; R173.2@9954.44,13738.1 9896.14,13738.1 9883.6,13725.56 9883.6,13362.39 9873.39,13352.17 8841.49,13352.17 8786.26,13296.94 8599.98,13296.94 ; 8531.34,13218.79 8531.34,13264.77 8538.08,13271.51 ; 8531.34,13218.79 JX2.2@8573.16,13176.97 8531.34,13218.79 ; 8538.08,13271.51 v1(8574.54,13271.51) 8599.98,13296.94
  BottomLayer w10: U33.69@7553.88,13622.58 7553.88,13758.47 7568.85,13773.44 8101.71,13773.44 8114.48,13760.67 8114.48,13507.16 8350.13,13271.51 v1(8574.54,13271.51) 8532.04,13271.51 ; U33.69@7553.88,13652.83 7553.88,13687.58 ; v1@8573.88,13264.04 8532.04,13271.51 ; v1@8573.88,13278.98 8532.04,13271.51
STM32-TX4: R63.2 R160.2@8274.67,11348.36 U10.1 U33.111 | length 4475.9
  TopLayer w10: v1(8048.8,12429.09) v1(8420.23,12429.09) 8377.73,12429.09 ; v1@8049.46,12421.62 8091.3,12429.09 v1@8049.46,12436.56 ; v1@8419.57,12421.62 8377.73,12429.09 ; v1@8419.57,12436.56 8377.73,12429.09
  TopLayer w15: R63.2@8194.74,10971.31 v1(8182.38,10930.74) ; 8250.37,11340.42 v1(8192.38,11348.36) ; 8250.37,11356.3 v1(8192.38,11348.36) ; 8267.38,10743.36 U10.1@8324.38,10743.36 ; R160.2@8273.46,11335.92 8209.67,11348.36 ; R160.2@8273.46,11360.8 8209.67,11348.36 ; R160.2@8274.67,11348.36 v1(8192.38,11348.36) ; U10.1@8352.38,10743.36 8249.26,10743.36 8228.57,10764.05 8228.57,10884.55 v1(8182.38,10930.74) ; v1(8182.38,10930.74) R63.2@8182.38,10973.15 v1(8182.38,10930.74) ; v1(8182.38,10930.74) 8170.01,10971.31 v1(8182.38,10930.74) ; v1(8192.38,11348.36) 8209.67,11348.36 ; v1(8192.38,11348.36) 8209.67,11348.36
  BottomLayer w10: 7573.57,12703.25 U33.111@7573.57,12738 ; U33.111@7573.57,12768.25 7573.57,12498.54 7627.42,12444.69 7990.5,12444.69 8006.1,12429.09 v1(8048.8,12429.09) ; v1@8187.47,11354.03 8225.8,11382.24 ; v1@8198.11,11343.53 8225.8,11382.24 ; v1@8412.78,12428.21 8420.23,12396.87 ; v1(8420.23,12429.09) 8420.23,12396.87 ; v1@8427.68,12428.21 8420.23,12396.87 ; 8225.8,11382.24 v1(8192.38,11348.36) 8192.38,11348.82 8238.89,11395.33 8509.82,11395.33 8545.43,11430.93 8545.43,11960.54 8505.84,12000.12 8505.84,12311.26 8420.23,12396.87
  BottomLayer w15: v1(8182.38,10930.74) 8182.38,11338.36 v1(8192.38,11348.36) 8182.38,11283.34
STM32-TX5: JX5.2 U33.113 | length 700.3
  BottomLayer w10: JX5.2@7400.33,12462.44 7440.96,12489.33 ; JX5.2@7406.81,12454.58 7440.96,12489.33 ; JX5.2@7432.33,12441.38 7440.96,12489.33 ; JX5.2@7442.5,12440.63 7440.96,12489.33 ; 7534.2,12703.25 U33.113@7534.2,12738 ; U33.113@7534.2,12768.25 7534.2,12494.08 7529.45,12489.33 7440.96,12489.33 ; 7440.96,12489.33 7418.58,12466.95 JX5.2@7418.58,12446.05 7440.96,12489.33